# Altium PCB US_EPS_GHW.PcbDoc (part 1 of 3) (continued)
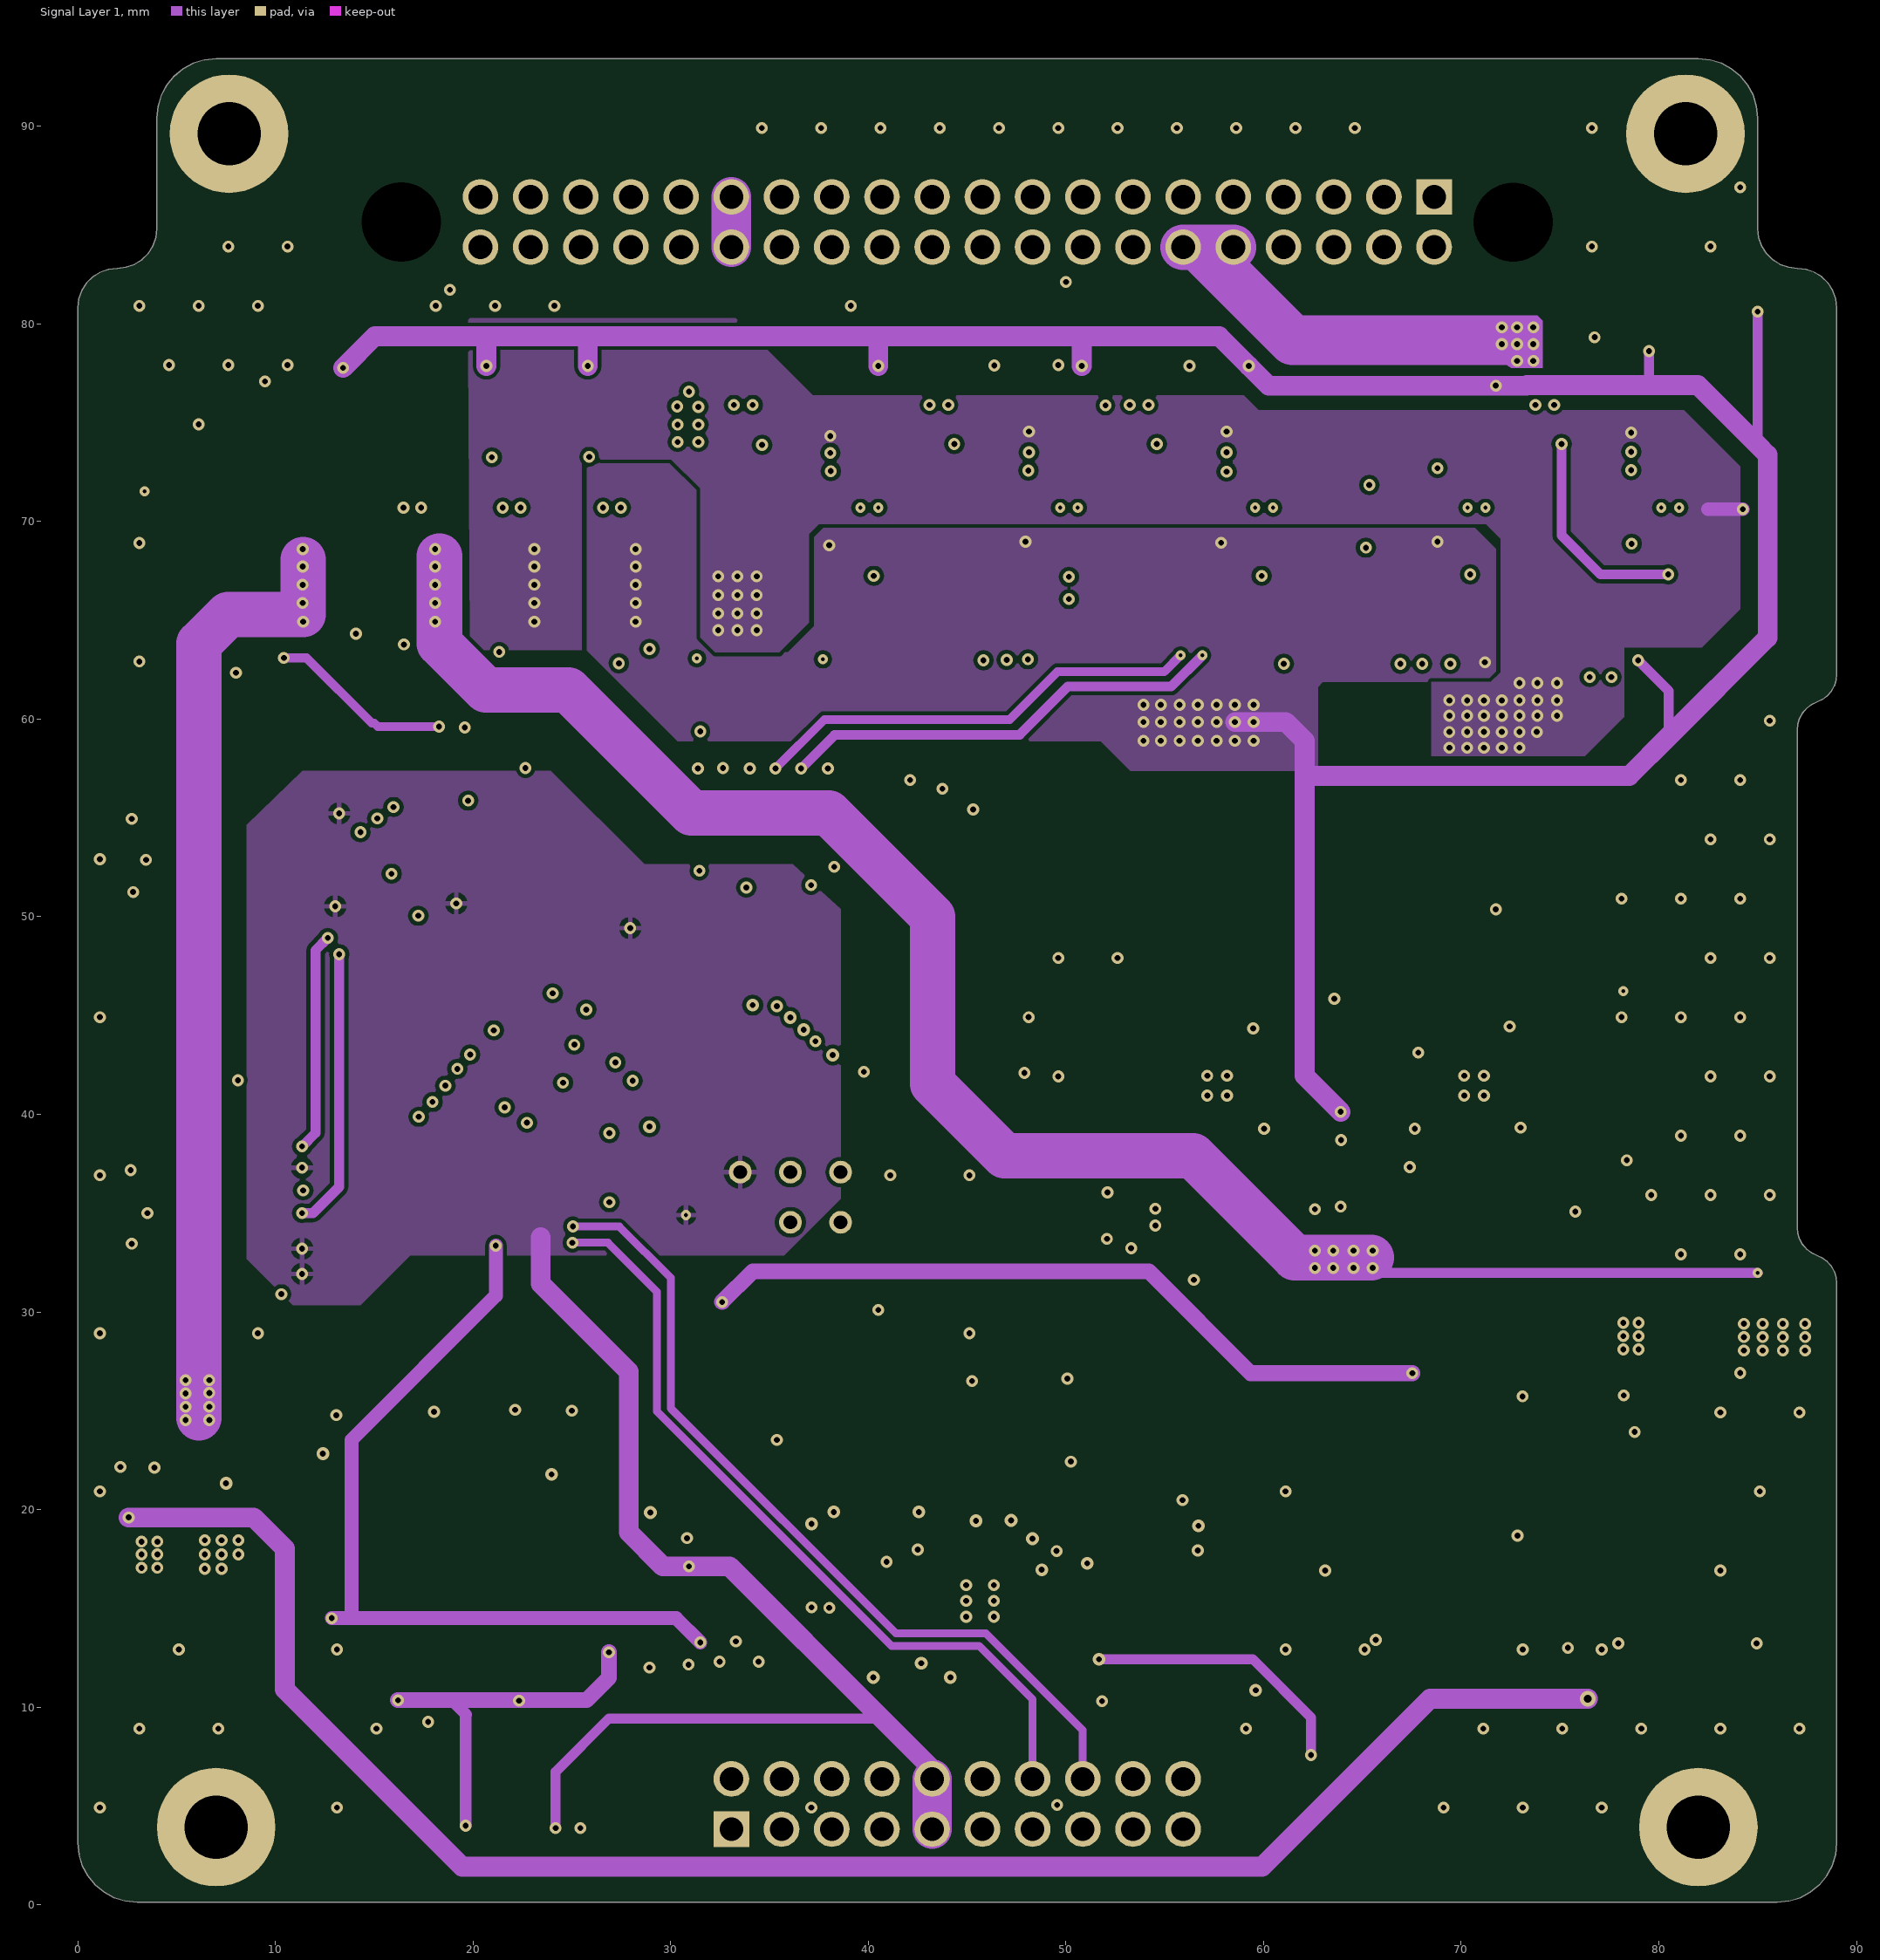
[diagram p3: Signal Layer 1]
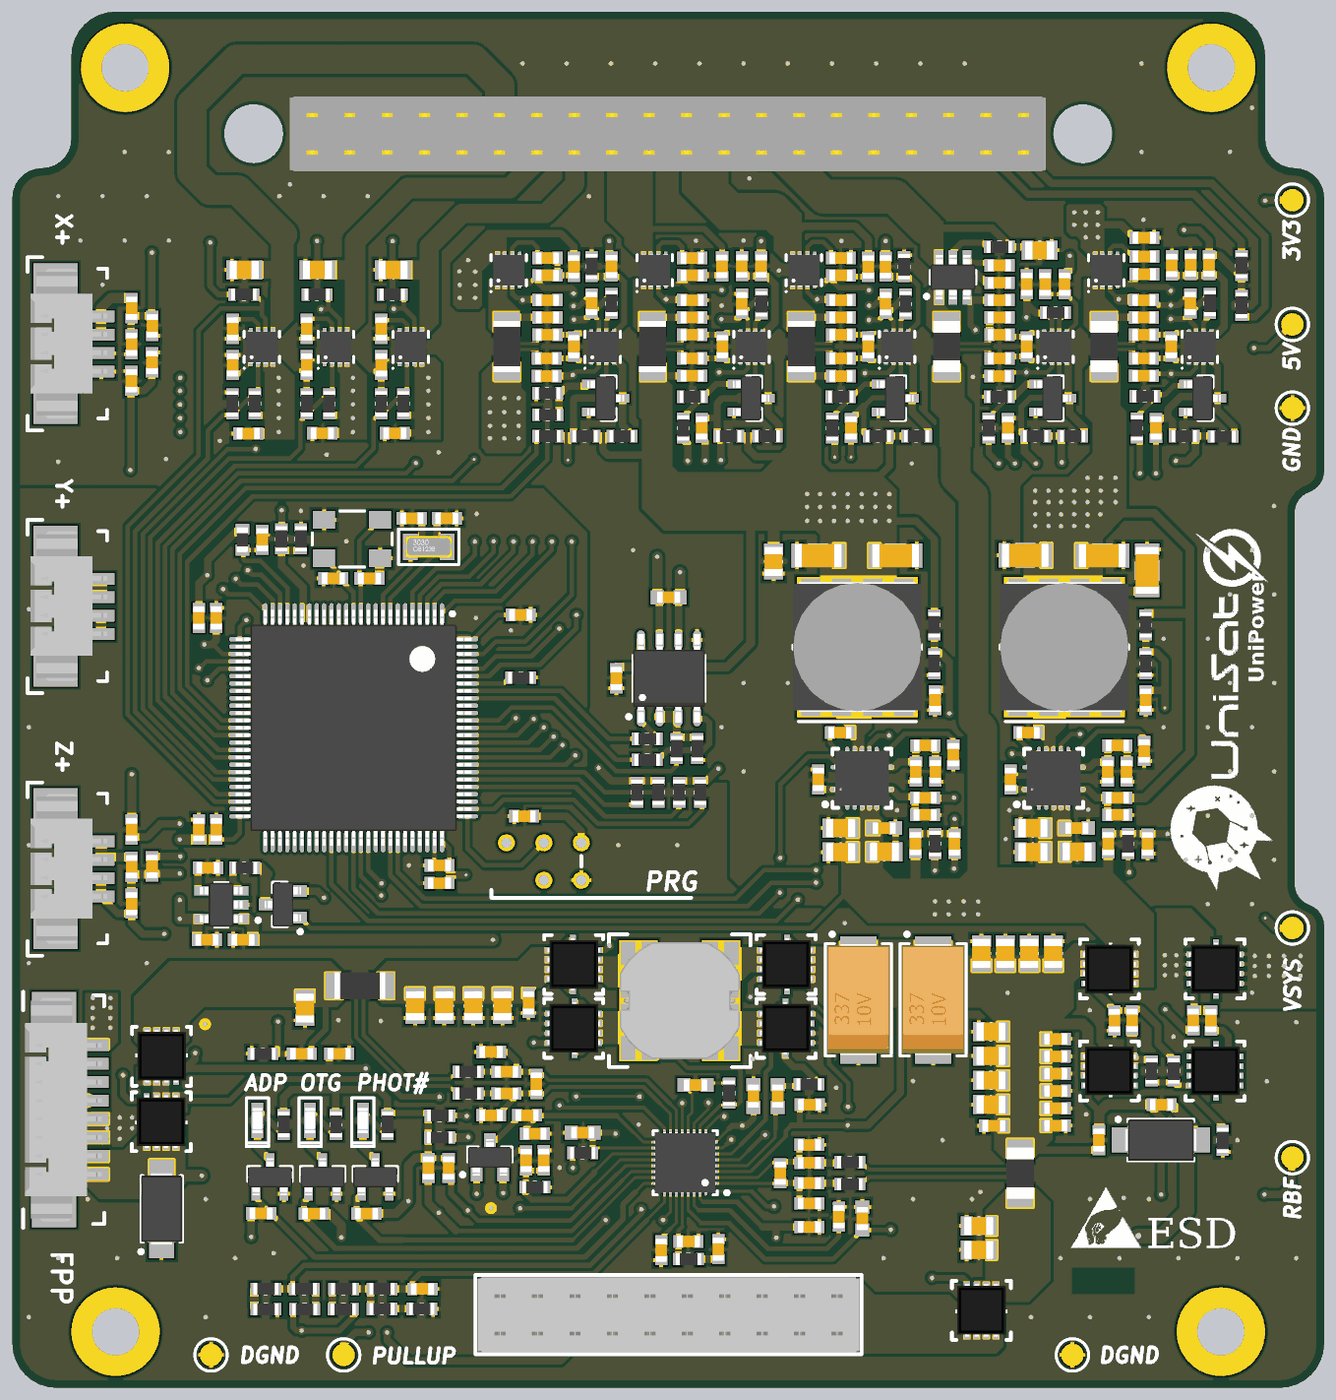
[diagram p6: 3D render of the assembled board from above, using the file's embedded part models]
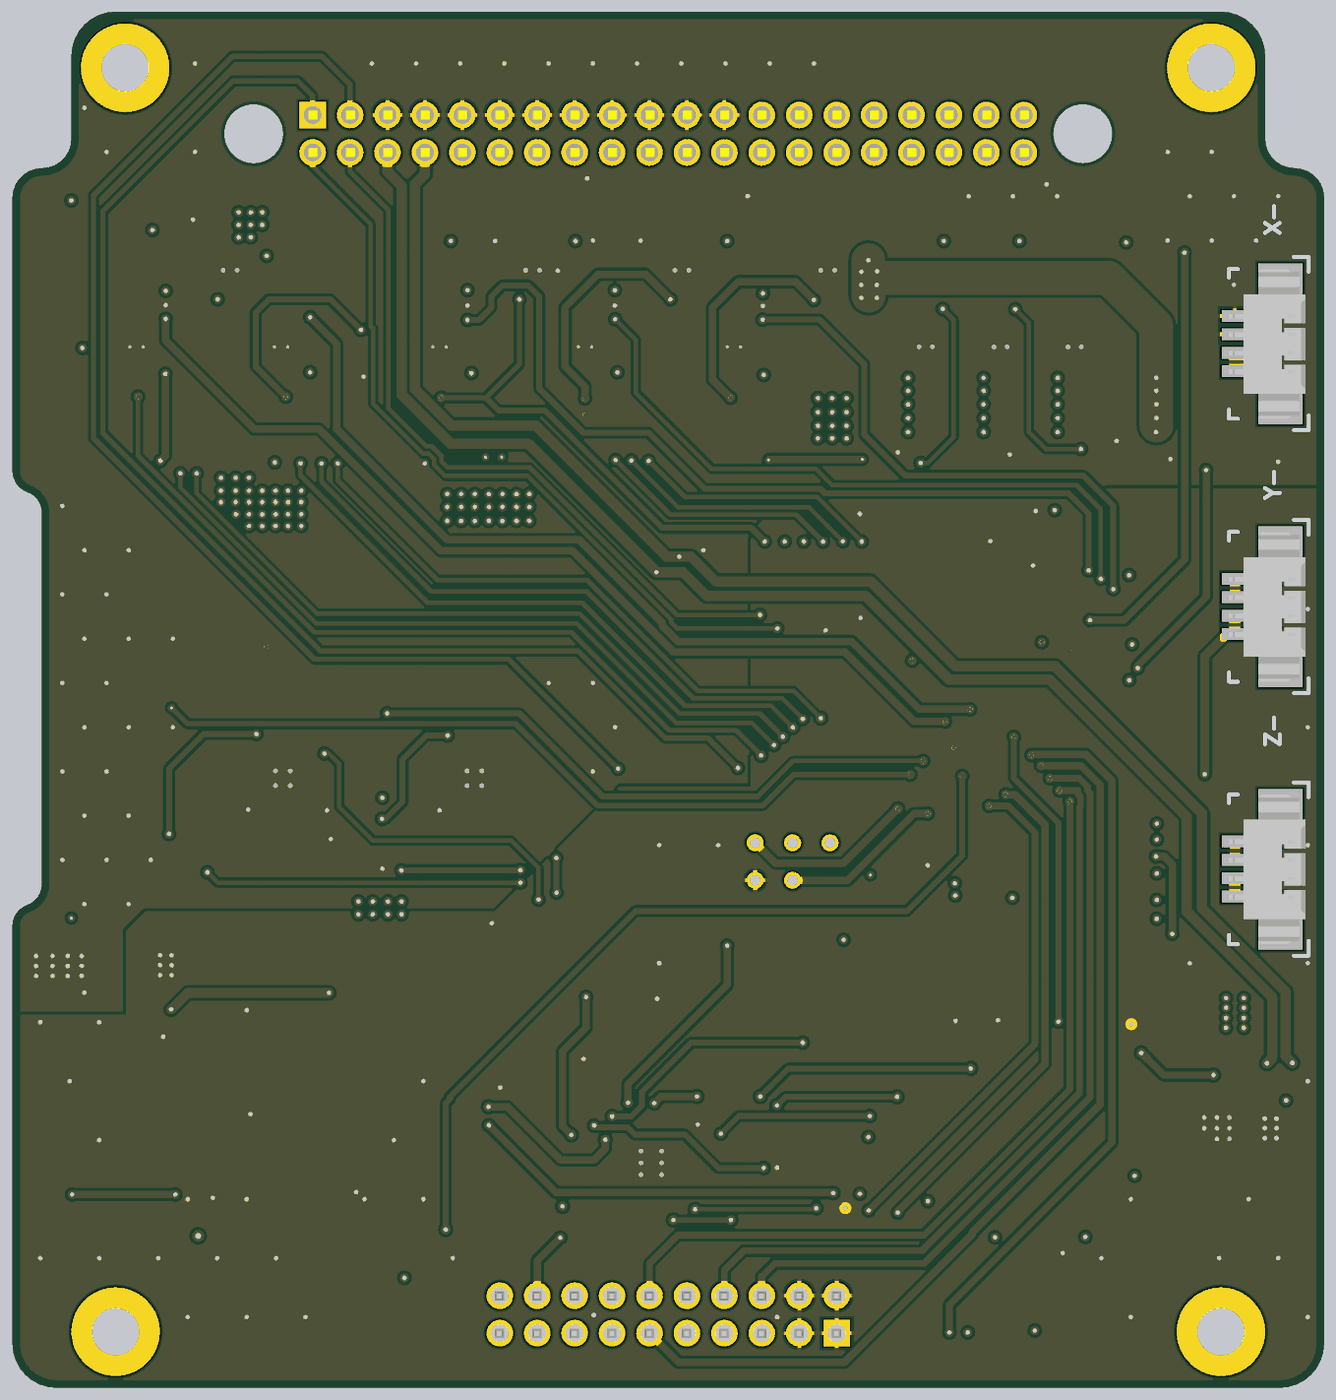
[diagram p7: 3D render of the assembled board from below, using the file's embedded part models]

## Layer stack, top to bottom
Top Solder: solder mask 0.0127, Solder Resist, Dk 3.5
Top Layer: signal copper 0.035
Dielectric 1: core 0.2, FR-4, Dk 4.8
Ground Plane: plane copper 0.0175, net (Multiple Nets)
Dielectric 3: prepreg 1.065, Dk 4.2
Signal Layer 1: signal copper 0.036
Dielectric 4: core 0.254, Dk 4.2
Bottom Layer: signal copper 0.035
Bottom Solder: solder mask 0.0127, Solder Resist, Dk 3.5

## Board outline
89,31.447 88.969,31.752 88.875,32.045 88.725,32.313 88.523,32.544 88.278,32.729 88,32.861 87.722,32.992 87.477,33.178 87.275,33.409 87.125,33.677 87.031,33.969 87,34.275 87,59.447 87.031,59.752 87.125,60.045 87.275,60.313 87.477,60.544 87.722,60.729 88,60.861 88.278,60.992 88.523,61.178 88.725,61.409 88.875,61.677 88.969,61.969 89,62.275 89,63.775 89,80.817 88.95,81.262 88.802,81.685 88.564,82.064 88.247,82.381 87.868,82.619 87.445,82.767 87,82.817 86.555,82.867 86.132,83.015 85.753,83.254 85.436,83.57 85.198,83.949 85.05,84.372 85,84.817 85,90.425 84.942,91.01 84.772,91.573 84.494,92.092 84.121,92.546 83.667,92.919 83.148,93.197 82.585,93.367 82,93.425 7,93.425 6.415,93.367 5.852,93.197 5.333,92.919 4.879,92.546 4.506,92.092 4.228,91.573 4.058,91.01 4,90.425 4,84.817 3.95,84.372 3.802,83.949 3.564,83.57 3.247,83.254 2.868,83.015 2.445,82.867 2,82.817 1.555,82.767 1.132,82.619 0.753,82.381 0.436,82.064 0.198,81.685 0.05,81.262 0,80.817 0,63.775 0,29.775 0,3.125 0.058,2.54 0.228,1.977 0.506,1.458 0.879,1.004 1.333,0.631 1.852,0.353 2.415,0.183 3,0.125 86,0.125 86.585,0.183 87.148,0.353 87.667,0.631 88.121,1.004 88.494,1.458 88.772,1.977 88.942,2.54 89,3.125 89,29.775

## Design rules (kind name [scope] priority, off if disabled: settings)
BoardOutlineClearance [All] p1: gap=0.5
Clearance Clearance_ISL9237 [HasFootprint('QFN127P600-ISL9237') vs HasFootprint('QFN127P600-ISL9237')] p1: gap=0.152
Clearance Clearance_NIS5135 [HasFootprint('NIS5135_SON127P600-8N') vs HasFootprint('NIS5135_SON127P600-8N')] p2: gap=0.152
Clearance Clearance_ALL [All] p3: gap=0.2
HoleSize [All] p1: absolutevalues=TRUE maxlimit=6.2 minlimit=0.2 maxpercent=80.000 minpercent=20.000
MinimumAnnularRing [All] p1: minimumring=0.152
MinimumSolderMaskSliver MinimumSolderMaskSliver_STM32L073-100N [HasFootprint ('STM32L073_TSQFP50P1600X1600X160-100N')or HasFootprint('NIS5135_SON127P600-8N')] p1: minsoldermaskwidth=0.07
MinimumSolderMaskSliver MinimumSolderMaskSliver_ISL9237 [HasFootprint ('QFN127P600-ISL9237')] p2: minsoldermaskwidth=0.075
MinimumSolderMaskSliver MinimumSolderMaskSliver_ALL [All] p3: minsoldermaskwidth=0.1
PlaneClearance [All] p1: clearance=0.508
PlaneConnect PlaneConnect_GND [(InNet('GND') or InNet('DGND'))and IsVia] p1: planeconnectstyle=Direct reliefexpansion=0.508 reliefentries=4 reliefconductorwidth=0.254 reliefairgap=0.254
PlaneConnect [All] p2: planeconnectstyle=Relief reliefexpansion=0.508 reliefentries=4 reliefconductorwidth=0.35 reliefairgap=0.254
PolygonConnect PolygonConnect_CON_OUT [(InNet('3V3')or InNet('5V'))and isvia] p1: connectstyle=Direct reliefconductorwidth=0.254 reliefentries=4 polygonreliefangle="90 Angle" airgapwidth=0.254
PolygonConnect PolygonConnect_GND_Via [(InNet('DGND')or InNet('GND'))and isvia] p2: connectstyle=Direct reliefconductorwidth=0.254 reliefentries=4 polygonreliefangle="90 Angle" airgapwidth=0.254
PolygonConnect PolygonConnect_ALL [All] p3: connectstyle=Relief reliefconductorwidth=0.254 reliefentries=4 polygonreliefangle="90 Angle" airgapwidth=0.254
RoutingVias [All] p1: holewidth=0.3 width=0.605 viastyle="Through Hole" minholewidth=0.2 minwidth=0.51 maxholewidth=1 maxwidth=2
SilkToSilkClearance SilkToSilkClearance_ALL [All] p1: silktosilkclearance=0.075
SilkToSolderMaskClearance [IsPad] p1: minsilkscreentomaskgap=0.152 clearancetoexposedcopper=TRUE
SolderMaskExpansion [All] p1: expansion=0.102
Width [All] p1: maxlimit=10 minlimit=0.157 preferedwidth=0.3
24 further rules are at their usual default settings.

## Classes and differential pairs
component class BIC: CN1 D5 P8 R69 R70 U4
component class Buck: C45 C46 C47 C48 C49 C50 C51 C52 C53 C54 C55 C56 C57 C58 C59 C60 C61 C62 C63 C64 C65 C66 C67 C68 L2 L3 R51 R52 R53 R54 R55 R56 R57 R58 R59 R60 R61 R62 R63 R64 R65 R66 R67 R68 TP2 TP5 TP13 TP14 U2 U3
component class Charge: C1 C2 C3 C4 C5 C6 C7 C8 C9 C10 C11 C12 C13 C14 C15 C16 C17 C18 C19 C20 C21 C22 C23 C24 C25 C26 C27 C28 C29 C30 C31 C32 C33 C34 C35 C36 C37 C38 C39 C40 C41 C42 C43 C44 D1 D2 D3 D4 L1 Q1 Q2 Q3 Q4 Q5 Q6 Q7 Q8 Q9 Q10 R2 R3 R4 R6 R7 R8 R9 R11 R12 R13 R14 R15 R16 R19 R20 R22 R23 R24 R26 R27 R28 R29 R30 R34 R36 R37 R38 R39 R40 R41 R42 R43 R44 R45 R46 R47 R48 R49 R50 R120 TP1 TP3 U1 X1
component class LM: C69 C70 C71 C72 C73 C74 C75 C76 C77 C78 C79 C80 C81 C82 C83 C84 C85 C86 C87 C88 C89 C90 C91 C92 C93 C94 C95 C96 C97 C98 C99 C100 C101 C102 C103 C104 C105 C106 C107 C108 C109 C110 C111 C112 C113 C114 C115 C116 C117 C118 Q11 Q13 Q15 Q17 Q18 R33 R71 R72 R73 R74 R75 R76 R77 R78 R79 R80 R81 R82 R83 R84 R85 R86 R87 R88 R89 R90 R91 R92 R93 R94 R95 R96 R97 R98 R99 R100 R101 R102 R103 R104 R105 R106 R107 R108 R109 R110 R111 R112 R113 R114 R115 R116 R117 R119 R121 R122 R123 R126 R127 R128 R129 R130 R131 R132 R133 R134 R135 R136 R137 R138 R139 R140 R141 TP7 TP8 TP9 TP10 TP11 U5 U6 U7 U8 U9 U10 U11 U12
component class MCU: C119 C120 C121 C122 C123 C124 C125 C126 C127 C128 C129 C130 C131 C132 C133 C134 D6 FB1 R118 R142 R143 R144 R145 R146 R147 R148 TP4 U13 U14 XT1 XT2
component class RBF: D7 Q19 Q20 Q21 Q22 R150 R151 R152 R153 R154 R155 R156 R157 R158 TP12
component class RS485: C135 CN2 R159 R161 R162 R163 R165
component class SP: C137 C138 C139 R166 R167 R168 R169 R170 R171 U15 U16 U17 U18 U19 U20

## Components (designator, comment, footprint, x,y, rotation, side; value= is the part's Value field where it differs from the comment)
C1 "68µF" TCJY686_CAPMP7343X21N 57.4,26.425 r90 top
C2 "1u" C0603_IPC_HD 66.6,17.882 r0 top
C3 "1u" C0603_IPC_HD 70.8,20.25 r180 top
C4 "10u" C0805_IPC_HD 66.4,19.325 r0 top
C5 "10u" C0805_IPC_HD 65.75,29.575 r270 top
C6 "10u" C0805_IPC_HD 66.4,22.625 r0 top
C7 "10u" C0805_IPC_HD 69,29.575 r270 top
C8 "10u" C0805_IPC_HD 66.4,24.275 r0 top
C9 "10u" C0805_IPC_HD 70.625,29.575 r270 top
C10 "10u" C0805_IPC_HD 67.375,29.575 r270 top
C11 "10u" C0805_IPC_HD 66.4,20.975 r0 top
C12 "100n" C0603_IPC_HD 70.8,19.075 r180 top
C13 "100n" C0603_IPC_HD 70.8,22.6 r180 top
C14 "100n" C0603_IPC_HD 70.8,17.9 r180 top
C15 "100n" C0603_IPC_HD 70.8,23.775 r180 top
C16 "100n" C0603_IPC_HD 70.8,21.425 r180 top
C17 "68µF" TCJY686_CAPMP7343X21N 62.475,26.425 r90 top
C18 "10n" C0603_IPC_HD 35.025,26.222 r90 top
C19 "10u" C0805_IPC_HD 33.25,26.025 r90 top
C20 "10u" C0805_IPC_HD 31.275,26.025 r90 top
C21 "10u" C0805_IPC_HD 29.3,26.025 r90 top
C22 "10u" C0805_IPC_HD 27.325,26.025 r90 top
C23 "10u" C0805_IPC_HD 19.85,25.875 r90 top
C24 "1u" C0603_IPC_HD 35.55,20.725 r90 top
C25 "100n" C0603_IPC_HD 22.175,22.775 r180 top
C26 "100n" C0603_IPC_HD 32.475,18.6 r0 top
C27 "100n" C0603_IPC_HD 32.475,22.9 r0 top
C28 "0.22µF" C0603_IPC_MD 46.35,20.65 r0 top
C29 "0.22µF" C0603_IPC_MD 51.925,19.9 r270 top
C30 "100n" C0603_IPC_HD 54.1,19.325 r180 top
C31 "100n" C0603_IPC_HD 54.075,16.6 r180 top
C32 "1u" C0603_IPC_HD 52.1,14.675 r90 top
C33 "10u" C0805_IPC_HD 65.575,9.475 r180 top
C34 "100n" C0603_IPC_HD 54.075,12.625 r0 top
C35 "100n" C0603_IPC_HD 36.05,15.55 r270 top
C36 "1nF" C0603_IPC_MD 57.675,11.6 r270 top
C37 "10u" C0805_IPC_HD 65.575,11.1 r180 top
C38 "18p" C0603_IPC_HD 27.825,6.825 r180 top
C39 "4.7µF" C0603_IPC_MD 38.7,17.425 r0 top
C40 "4.7µF" C0603_IPC_MD 50.275,19.9 r270 top
C41 "100n" C0603_IPC_HD 54.075,11.025 r0 top
C42 "100n" C0603_IPC_HD 45.875,10.05 r0 top
C43 "10n" C0603_IPC_HD 47.9,9.525 r270 top
C44 "1u" C0603_IPC_HD 35.45,17.35 r180 top
C45 "100n" C0603_IPC_HD 68.925,44.55 r180 top
C46 "10u" C0805_IPC_HD 69.25,38.075 r0 top
C47 "10u" C0805_IPC_HD 72.25,36.474 r180 top
C48 "10u" C0805_IPC_HD 69.25,36.45 r0 top
C49 "4.7µF" C0603_IPC_MD 72.225,38.075 r180 top
C50 "47µF" C1206_IPC_HD 68.725,56.57 r0 top
C51 "47µF" C1206_IPC_HD 73.95,56.55 r180 top
C52 "47µF" C1206_IPC_HD 77,55.55 r270 top
C53 "2700pF" C0603_IPC_HD 76.8,43.3 r90 top
C54 "1nF" C0603_IPC_HD 76.9,46.75 r90 top
C55 "75pF" C0603_IPC_HD 74.325,41.9 r90 top
C56 "6800pF" C0603_IPC_HD 75.6,41.9 r90 top
C57 "100n" C0603_IPC_HD 56.15,44.55 r180 top
C58 "10u" C0805_IPC_HD 56.2,38.075 r0 top
C59 "10u" C0805_IPC_HD 56.2,36.45 r0 top
C60 "10u" C0805_IPC_HD 59.175,36.474 r180 top
C61 "4.7µF" C0603_IPC_MD 59.15,38.075 r180 top
C62 "22u" C0805_IPC_HD 51.65,56.152 r90 top
C63 "47µF" C1206_IPC_HD 59.925,56.55 r180 top
C64 "47µF" C1206_IPC_HD 54.675,56.55 r0 top
C65 "2700pF" C0603_IPC_HD 63.843,43.05 r90 top
C66 "39pF" C0603_IPC_HD 61.3,41.9 r90 top
C67 "1nF" C0603_IPC_HD 62.6,46.75 r90 top
C68 "0.012µF" C0603_IPC_HD 62.625,41.9 r90 top
C69 "1u" C0603_IPC_HD 76.775,72.7 r180 top
C70 "10n" C0603_IPC_HD 78.625,70.725 r90 top locked
C71 "1nF" C0603_IPC_HD 76.8,76.825 r180 top
C72 "100n" C0603_IPC_HD 76.8,78.1 r180 top
C73 "1nF" C0603_IPC_HD 76.775,73.875 r180 top
C74 "1nF" C0603_IPC_HD 79.925,73.65 r270 top
C75 "100n" C0603_IPC_HD 76.8,75.625 r180 top
C76 "1nF" C0603_IPC_HD 78.675,76.225 r270 top
C77 "1u" C0603_IPC_HD 21.025,64.85 r0 top
C78 "1u" C0603_IPC_HD 16,64.825 r0 top
C79 "100n" C0603_IPC_HD 76.775,68.743 r180 top
C80 "100n" C0603_IPC_HD 25.025,69.475 r270 top
C81 "1u" C0603_IPC_HD 66.975,72.7 r180 top
C82 "10n" C0603_IPC_HD 68.825,70.725 r90 top locked
C83 "100n" C0603_IPC_HD 66.975,75.05 r180 top
C84 "10u" C0805_IPC_HD 69.7,77.25 r180 top
C85 "1nF" C0603_IPC_HD 66.975,73.875 r180 top
C86 "10n" C0603_IPC_HD 66.975,76.225 r180 top
C87 "1nF" C0603_IPC_HD 68.825,74.95 r270 top
C88 "100n" C0603_IPC_HD 66.961,68.725 r0 top
C89 "1u" C0603_IPC_HD 56.225,72.7 r180 top
C90 "22u" C0805_IPC_HD 20.7,75.925 r0 top
C91 "22u" C0805_IPC_HD 25.825,75.925 r0 top
C92 "10n" C0603_IPC_HD 58.075,70.725 r90 top locked
C93 "100n" C0603_IPC_HD 19.975,69.475 r270 top
C94 "1nF" C0603_IPC_HD 56.225,76.727 r180 top
C95 "100n" C0603_IPC_HD 58.075,76.125 r90 top
C96 "1nF" C0603_IPC_HD 56.225,73.875 r180 top
C97 "1nF" C0603_IPC_HD 59.25,73.625 r270 top
C98 "100n" C0603_IPC_HD 56.225,75.55 r180 top
C99 "100n" C0603_IPC_HD 56.225,68.725 r180 top
C100 "1u" C0603_IPC_HD 46.125,72.7 r180 top
C101 "10n" C0603_IPC_HD 48.175,70.725 r90 top locked
C102 "22u" C0805_IPC_HD 15.725,75.925 r0 top
C103 "10n" C0603_IPC_HD 38.1,70.725 r90 top locked
C104 "1nF" C0603_IPC_HD 46.125,76.727 r180 top
C105 "100n" C0603_IPC_HD 48.15,76.161 r90 top
C106 "1nF" C0603_IPC_HD 46.125,73.875 r180 top
C107 "1nF" C0603_IPC_HD 49.5,73.625 r270 top
C108 "100n" C0603_IPC_HD 46.125,75.55 r180 top
C109 "100n" C0603_IPC_HD 14.95,69.475 r90 top
C110 "100n" C0603_IPC_HD 46.125,68.743 r180 top
C111 "1u" C0603_IPC_HD 36.3,72.7 r180 top
C112 "1u" C0603_IPC_HD 25.95,64.85 r0 top
C113 "1nF" C0603_IPC_HD 36.3,76.727 r180 top
C114 "100n" C0603_IPC_HD 38.1,76.136 r90 top
C115 "1nF" C0603_IPC_HD 39.3,73.65 r270 top
C116 "1nF" C0603_IPC_HD 36.3,73.875 r180 top
C117 "100n" C0603_IPC_HD 36.3,75.55 r180 top
C118 "100n" C0603_IPC_HD 36.25,68.725 r0 top
C119 "1u" C0603_IPC_HD 28.975,35.55 r0 top
C120 "1u" C0603_IPC_HD 28.975,34.35 r0 top
C121 "100n" C0603_IPC_HD 13.2,30.5 r180 top
C122 "100n" C0603_IPC_HD 13.825,37.975 r270 top
C123 "100n" C0603_IPC_HD 12.65,52.325 r90 top
C124 "100n" C0603_IPC_HD 12.65,37.975 r270 top
C125 "100n" C0603_IPC_HD 34.489,52.525 r180 top
C126 "100n" C0603_IPC_HD 13.825,52.325 r270 top
C127 "1u" C0603_IPC_HD 15.65,30.5 r0 top
C128 "22pF" C0603_IPC_HD 13.275,35.375 r180 top
C129 "100n" C0603_IPC_HD 16.95,57.625 r270 top
C130 "18p" C0603_IPC_HD 29.475,59.075 r180 top
C131 "18p" C0603_IPC_HD 27.1,59.075 r0 top
C132 "18p" C0603_IPC_HD 24.225,55 r180 top
C133 "18p" C0603_IPC_HD 21.775,55 r0 top
C134 "100n" C0603_IPC_HD 34.725,38.875 r0 top
C135 "100n" C0603_IPC_HD 40.975,48.225 r90 top
C137 "100n" C0603_IPC_HD 9.475,35.475 r270 top
C138 "100n" C0603_IPC_HD 8.075,68.4 r270 top
C139 "100n" C0603_IPC_HD 9.493,72.125 r90 top
CN1 "55040F" HEADER_40PIN_12MM2 68.63,86.425 r180 top locked
CN2 "ST1480ABDR" SOIC-8 44.55,48.225 r90 top
D1 "Value" BAT54C_SOT23 32.4,15.75 r90 top
D2 "LTST-C190GKT" LED_0603 16.625,18.25 r90 top
D3 "LTST-C190GKT" LED_0603 23.775,18.25 r90 top
D4 "LTST-C190GKT" LED_0603 20.2,18.25 r90 top
D5 "824501121" DIOM4227X25N 10.125,12.25 r90 top
D6 "Value" BAT54C_SOT23 18.35,32.9 r180 top
D7 "824501121" DIOM4227X25N 77.925,16.925 r0 top
FB1 "MH1608-601Y" L0603_IPC_MD 15.6,57.625 r90 top
L1 "2.2uH" 2.2UF_6.3A 42.475,26.375 r0 top
L2 "1.5uH" "INDP8687X40N-(VLP8040 )" 71.375,50.35 r90 top
L3 "1.5uH" "INDP8687X40N-(VLP8040 )" 57.325,50.35 r90 top
P8 "SWD" SWD_CON_VAR1 38.6,37.075 r270 top
Q1 "SISH625DN-T1-GE3" SISH625DN 10.1,18.165 r270 top
Q2 "SISH625DN-T1-GE3" SISH625DN 10.125,22.6 r90 top
Q3 "SISA14DN-T1-GE3" SISA14DN 38.085,28.825 r180 top
Q4 "SISA14DN-T1-GE3" SISA14DN 52.5,28.825 r0 top
Q5 "SISA14DN-T1-GE3" SISA14DN 38.085,24.5 r0 top
Q6 "SISA14DN-T1-GE3" SISA14DN 52.5,24.5 r180 top
Q7 "SISH625DN-T1-GE3" SISH625DN 65.75,5.375 r270 top
Q8 "BSS138" SOT23 17.475,14.425 r90 top
Q9 "BSS138" SOT23 24.625,14.425 r90 top
Q10 "BSS138" SOT23 21.05,14.425 r90 top
Q11 "BSS138" SOT23 80.75,67.225 r0 top
Q13 "BSS138" SOT23 70.575,67.225 r0 top
Q15 "BSS138" SOT23 59.9,67.225 r0 top
Q17 "BSS138" SOT23 50.125,67.225 r0 top
Q18 "BSS138" SOT23 40.25,67.225 r0 top
Q19 "SISH625DN-T1-GE3" SISH625DN 74.435,21.61 r0 top
Q20 "SISH625DN-T1-GE3" SISH625DN 74.435,28.525 r0 top
Q21 "SISA14DN-T1-GE3" SISA14DN 81.602,28.525 r0 top